# Allegro board 8880F5-0823_1_redwan.brd (continued)
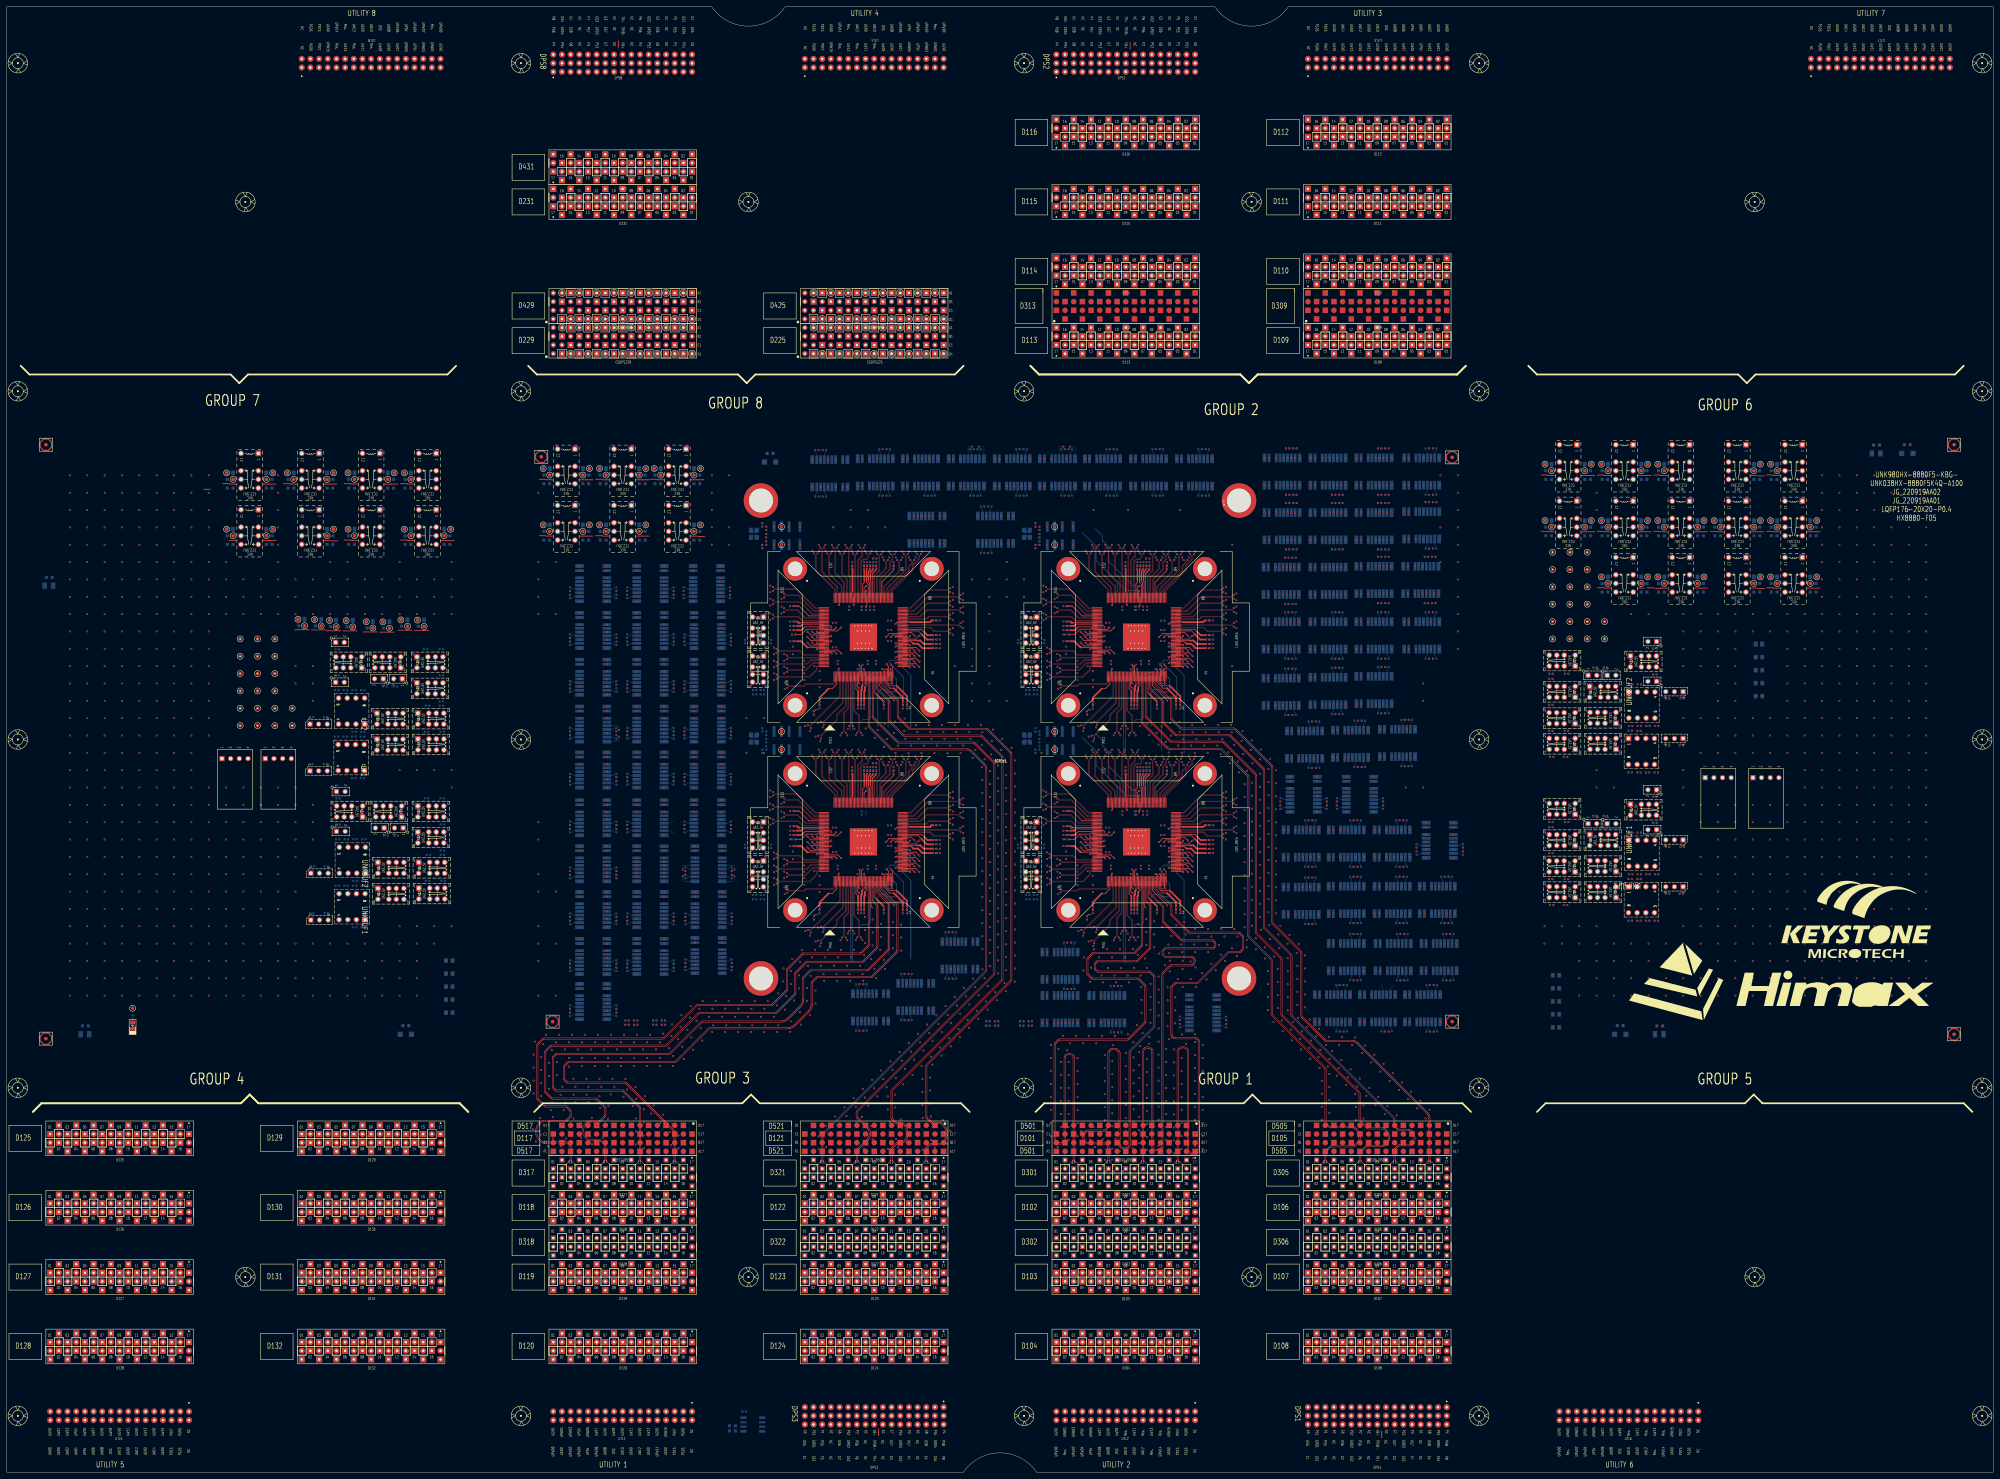
[diagram p0: board, top side]
## Routing (per net, layer and track width the routed paths; a pad name or vN(x,y) marks a point on that pad's centre or on a via; arc(x,y) is an arc through that point) (continued)
S4_AUX_100DCH002+:
  vias: v1(299.22,132.08)
S4_AUX_100DCH002-:
  vias: v1(296.68,132.08)
S4_AUXCH+: length 32.3
  TOP w0.203: SITE4.21 330.23,176.2 v2(330.6,176.57)
  BOTTOM w0.203: 327.57,149.14 327.57,171.79 330.3,174.52 330.3,176.28 v2(330.6,176.57)
S4_AUXCH-: length 32.1
  TOP w0.203: v2(329.46,176.57) 329.83,176.2 SITE4.20
  BOTTOM w0.203: 327.02,149.37 327.02,172.02 329.76,174.75 329.76,176.28 v2(329.46,176.57)
S4_AVDD11_RX: length 8.4
  TOP w0.231: 334.67,167.85 334.23,168.29 SITE4.31
  TOP w0.508: v1(336.77,165.75) 334.67,167.85
  vias: v1(336.77,163.71)
S4_AVDD11_XTAL: length 8.8
  TOP w0.231: 332.87,201.45 332.87,201.11 333.03,200.95 SITE4.105
  TOP w0.381: 332.87,201.45 332.87,203.59 333.72,204.45 v1(333.72,204.54)
  vias: v1(333.72,206.58)
S4_AVDD18_RX: length 7.7
  TOP w0.231: 331.28,170.01 331.83,170.56 SITE4.25
  TOP w0.508: 331.28,170.01 331.28,168.9 331.06,168.68 v1(331.06,165.75)
  vias: v1(331.06,163.71)
S4_DCH041: length 2.2
  TOP w0.231: v1(317.23,183.03) 317.43,182.83 SITE4.159
S4_DCH042: length 3.7
  TOP w0.231: SITE4.160 316.43,182.43 v1(315.83,183.03)
S4_DCH043: length 5.3
  TOP w0.231: v1(314.43,183.03) 315.44,182.03 SITE4.161
S4_DCH044: length 2.2
  TOP w0.231: SITE4.163 317.43,181.23 v1(317.23,181.03)
S4_DCH045: length 5.4
  TOP w0.231: v1(324.35,179.83) 323.35,180.83 SITE4.164
S4_DCH046: length 3.9
  TOP w0.231: SITE4.165 322.35,180.43 v1(322.95,179.83)
S4_DCH047: length 2.3
  TOP w0.231: SITE4.166 321.36,180.03 v1(321.56,179.83)
S4_DPS_F_001:
  vias: v1(297.68,130.81)
S4_DPS_F_002: length 10.1
  TOP w0.231: 320.65,169.55 321.72,169.55 323.03,170.86 SITE4.3
  TOP w0.508: v1(317.98,165.75) 317.98,166.88 320.65,169.55
  vias: v1(316.32,162.9) v1(317.98,163.71)
S4_DPS_F_003: length 63.1
  TOP w0.231: SITE4.71 346.94,186.43 347.84,185.53 ; SITE4.107 332.23,200.11 331.69,200.65 331.69,201.16 ; SITE4.37 336.63,171.59 338.57,169.66 339.73,169.66 ; 314.63,181.63 SITE4.162 ; SITE4.145 313.08,188.43 312.83,188.18 ; 345.2,182.93 344.9,183.23 SITE4.63 ; SITE4.17 328.63,169.5 329.28,168.85
  TOP w0.381: 331.69,201.16 331.69,204.28 v1(331.94,204.54)
  TOP w0.508: v1(311.44,183.41) 312.59,183.41 314.37,181.63 314.63,181.63 ; v1(351.22,183.91) 349.45,183.91 347.84,185.53 ; v1(342.36,165.75) 342.36,167.02 339.73,169.66 ; 345.2,182.93 345.45,182.68 346.8,182.68 348.11,181.37 v1(351.22,181.37) ; v1(311.44,187.93) 312.58,187.93 312.83,188.18 ; v1(329.28,165.75) 329.28,168.85
  vias: v1(309.4,187.93) v1(309.4,183.41) v1(329.28,163.71) v1(331.94,206.58) v1(342.36,163.71) v1(353.27,183.91) v1(353.27,181.37) v1(464.57,192.28)
S4_DPS_F_006: length 9.6
  TOP w0.231: SITE4.72 347.92,186.83 348.55,186.19
  TOP w0.508: v1(351.22,185.18) 349.56,185.18 348.55,186.19
  vias: v1(339,186.67) v1(353.27,185.18)
S4_DPS_F_007: length 19
  TOP w0.231: SITE4.97 336.23,200.71 339.65,204.13 v1(339.65,204.54) ; SITE4.78 344.15,189.23 344.37,189.01
  TOP w0.508: 344.37,189.01 350.31,189.01 350.8,189.5 v1(351.22,189.5)
  vias: v1(339.65,206.58) v1(353.27,189.5)
S4_DPS_F_009: length 8.8
  TOP w0.231: 332.26,201.12 332.26,200.9 332.63,200.53 SITE4.106
  TOP w0.381: v1(332.83,204.54) 332.83,204.39 332.26,203.82 332.26,201.12
  vias: v1(332.83,206.58) v1(333.61,207.66)
S4_DPS_F_010: length 8.6
  TOP w0.231: 331.05,201.13 331.05,200.57 330.63,200.15 SITE4.111
  TOP w0.381: 331.05,201.13 v1(331.05,204.54)
  vias: v1(330.63,193.59) v1(331.05,206.58)
S4_DPS_F_011: length 17.6
  TOP w0.231: v1(311.44,193.69) 312.01,193.69 314.87,190.83 SITE4.139 ; 327.64,198.01 327.43,197.79 SITE4.119
  TOP w0.508: 327.64,198.01 327.64,204.47 v1(327.57,204.54)
  vias: v1(309.4,193.69) v1(327.57,206.58)
S4_DPS_F_012: length 8
  TOP w0.231: 312.2,188.83 SITE4.144
  TOP w0.508: 312.2,188.83 311.81,188.83 v1(311.44,189.2)
  vias: v1(309.4,189.2)
S4_DPS_F_013:
  vias: v1(452.62,188.98) v1(452.62,181.36) v1(457.25,190.45) v1(474.87,173.79) v1(474.89,161.55) v1(474.99,175.15) v1(475.99,187.35) v1(478.43,173.74) v1(478.43,161.55) v1(478.53,187.35) v1(478.53,175.15) v1(480.97,161.55) v1(481.07,175.15) v1(482.1,197.87) v1(482.1,190.25) v1(483.51,161.55) v1(483.61,175.15) v1(489.86,169.47) v1(490.1,183.24)
S4_ISP00+: length 14.6
  TOP w0.086: v1(356.24,185.73) 355.81,186.16 351.56,186.16 350.41,187.31 344.06,187.31 343.98,187.23 SITE4.73
  vias: v1(307.81,131.64)
S4_ISP00-: length 14.6
  TOP w0.086: SITE4.74 343.98,187.63 344.06,187.55 350.51,187.55 351.66,186.4 355.77,186.4 v1(356.24,186.87)
  vias: v1(307.81,139.64)
S4_ISP14+: length 238.2
  TOP w0.086: v1(332.86,209.15) 332.42,208.71 332.42,207.92 331.76,207.26 330.73,207.26 330.15,206.68 330.15,197.86 330.23,197.78 SITE4.112
  L28_SIGNAL w0.071: v1(312.21,131.64) 312.21,135.08 311.85,135.43 290.94,135.43 284.88,141.49 284.88,157.49 270.17,172.2 270.17,188.95 265.58,193.54 265.58,206.11 269.22,209.76 269.22,210.77 268.58,211.42 264.85,211.42 261.24,215.03 261.24,227.6 265.03,231.4 273.46,231.4 276.69,228.17 276.69,227.25 282.37,221.56 298.29,221.56 306.57,213.29 310.71,213.29 316.37,207.62 332.34,207.62 333.79,209.07 333.79,210.13 333.48,210.44 332.81,210.44 332.39,210.02 332.39,209.62 v1(332.86,209.15)
S4_ISP14-: length 238.8
  TOP w0.086: v1(331.72,209.15) 332.18,208.69 332.18,208.02 331.66,207.5 330.63,207.5 329.91,206.78 329.91,197.86 329.83,197.78 SITE4.113
  L28_SIGNAL w0.071: v1(331.72,209.15) 332.19,209.62 332.19,210.1 332.73,210.64 333.56,210.64 333.98,210.22 333.98,208.99 332.42,207.42 316.29,207.42 310.63,213.09 306.49,213.09 298.21,221.37 282.29,221.37 276.49,227.17 276.49,228.08 273.37,231.2 265.11,231.2 261.43,227.52 261.43,215.11 264.93,211.62 268.66,211.62 269.42,210.85 269.42,209.68 265.77,206.03 265.77,193.62 270.37,189.03 270.37,172.28 285.08,157.57 285.08,141.57 291.02,135.63 311.87,135.63 312.21,135.97 v1(312.21,139.64)
S4_M_DPS_F_001: length 45.2
  TOP w0.231: SITE4.147 313.7,187.63 313.24,187.18 ; 346.49,183.63 SITE4.64 ; 340.57,170.37 338.54,170.37 337.43,171.49 SITE4.39 ; SITE4.104 333.43,203.21 ; 330.63,170.54 SITE4.22
  TOP w0.381: v1(334.61,204.54) 334.61,204.39 333.43,203.21
  TOP w0.508: v1(311.44,186.66) 312.72,186.66 313.24,187.18 ; v1(330.17,165.75) 330.17,168.96 330.38,169.17 330.38,170.28 330.63,170.54 ; v1(351.22,182.64) 348.48,182.64 347.49,183.63 346.49,183.63 ; 340.57,170.37 343.63,167.31 v1(343.63,165.75)
  vias: v1(309.4,186.66) v1(330.17,163.71) v1(334.61,206.58) v1(343.63,163.71) v1(353.27,182.64)
S4_PS9G_DCH001: length 3.7
  TOP w0.231: SITE4.18 329.03,170.23 v1(329.63,169.63)
S4_PS9G_DCH002: length 2.2
  TOP w0.231: v1(329.63,171.03) 329.43,171.23 SITE4.19
S4_PS9G_DCH003: length 2.2
  TOP w0.231: SITE4.24 331.43,171.23 v1(331.23,171.03)
S4_PS9G_DCH004: length 2.2
  TOP w0.231: v1(337.63,175.23) 337.83,175.03 SITE4.40
S4_PS9G_DCH005: length 2.2
  TOP w0.231: v1(344.43,175.83) 344.23,176.03 SITE4.45
S4_PS9G_DCH006: length 3.7
  TOP w0.231: SITE4.46 345.23,176.43 v1(345.83,175.83)
S4_PS9G_DCH007: length 5.3
  TOP w0.231: SITE4.47 346.22,176.83 v1(347.22,175.83)
S4_PS9G_DCH009: length 2.2
  TOP w0.231: SITE4.49 344.23,177.63 v1(344.43,177.43)
S4_PS9G_DCH010: length 3.7
  TOP w0.231: v1(345.83,177.43) 345.23,178.03 SITE4.50
S4_PS9G_DCH011: length 5.3
  TOP w0.231: v1(347.22,177.43) 346.22,178.43 SITE4.51
S4_PS9G_DCH014: length 3.7
  TOP w0.231: SITE4.54 345.23,179.63 v1(345.83,179.03)
S4_PS9G_DCH015: length 5.3
  TOP w0.231: v1(347.22,179.03) 346.22,180.03 SITE4.55
S4_PS9G_DCH022: length 5.3
  TOP w0.231: SITE4.65 346.05,184.03 347.05,185.03 v1(347.22,185.03)
S4_PS9G_DCH023: length 2.5
  TOP w0.231: v1(344.43,185.03) 344.43,184.83 344.03,184.43 SITE4.66
S4_PS9G_DCH027: length 3.9
  TOP w0.231: SITE4.70 344.83,186.03 v1(345.83,185.03)
S4_PS9G_DCH028: length 2.3
  TOP w0.231: v1(340.23,188.46) 340.6,188.83 SITE4.77
S4_PS9G_DCH029: length 2.2
  TOP w0.231: v1(328.03,194.03) 327.83,194.23 SITE4.118
S4_PS9G_DCH030: length 9.2
  TOP w0.231: SITE4.148 317.62,187.23 317.3,186.91 314.16,186.91 312.63,185.39 v1(310.91,185.39)
S4_PS9G_DCH035: length 5.3
  TOP w0.231: v1(314.43,186.23) 315.44,185.23 SITE4.153
S4_PS9G_DCH036: length 2.2
  TOP w0.231: v1(321.43,185.03) 321.23,184.83 SITE4.154
S4_PS9G_DCH037: length 2.2
  TOP w0.231: v1(317.23,184.63) 317.43,184.43 SITE4.155
S4_PS9G_DCH038: length 3.7
  TOP w0.231: SITE4.156 316.43,184.03 v1(315.83,184.63)
S4_PS9G_DCH039: length 5.3
  TOP w0.231: v1(314.43,184.63) 315.44,183.63 SITE4.157
S4_PS9G_DCH040: length 2.2
  TOP w0.231: v1(321.43,183.43) 321.23,183.23 SITE4.158
S4_RLY_001:
  vias: v1(402.14,146.88) v1(415.1,163.64)
S4_RLY_003:
  vias: v1(318.32,131.64) v1(403.41,209.61)
S4_RLY_005:
  vias: v1(388.43,146.88) v1(415.6,146.88)
S4_RLY_007:
  vias: v1(415.61,188.92)
S4_RLY_008:
  vias: v1(375.22,180.15) v1(397.57,131.89)
S4_RLY_016:
  vias: v1(388.43,163.64) v1(410.78,131.89)
S4_RLY_021:
  vias: v1(384.36,131.89) v1(401.89,163.64)
S4_RLY_022:
  vias: v1(346.27,138.37) v1(375.73,202.38)
S4_RLY_023:
  vias: v1(392.24,202.38)
S4_RLY_025:
  vias: v1(375.22,163.39) v1(388.43,180.15)
S4_RLY_026:
  vias: v1(401.89,180.15)
S4_RLY_030:
  vias: v1(304.61,144.34)
S4_RLY_043:
  vias: v1(304.61,131.64)
S4_SCAN_DCH008: length 2.2
  TOP w0.231: v1(340.23,177.03) 340.43,177.23 SITE4.48
S4_SCAN_DCH012: length 2.2
  TOP w0.231: v1(340.23,178.63) 340.43,178.83 SITE4.52
S4_SCAN_DCH013: length 2.2
  TOP w0.231: v1(344.43,179.03) 344.23,179.23 SITE4.53
S4_SCAN_DCH016: length 2.2
  TOP w0.231: v1(340.23,180.23) 340.43,180.43 SITE4.56
S4_SCAN_DCH017: length 2.2
  TOP w0.231: v1(344.43,180.63) 344.23,180.83 SITE4.57
S4_SCAN_DCH018: length 3.7
  TOP w0.231: v1(345.83,180.63) 345.23,181.23 SITE4.58
S4_SCAN_DCH019: length 5.3
  TOP w0.231: v1(347.22,180.63) 346.22,181.63 SITE4.59
S4_SCAN_DCH020: length 2.2
  TOP w0.231: v1(340.23,181.83) 340.43,182.03 SITE4.60
S4_SCAN_DCH021: length 2.2
  TOP w0.231: SITE4.61 344.23,182.43 v1(344.43,182.23)
S4_SCAN_DCH024: length 2.2
  TOP w0.231: v1(340.23,184.63) 340.43,184.83 SITE4.67
S4_SCAN_DCH025: length 3.7
  TOP w0.231: v1(338.83,184.63) 339.43,185.23 SITE4.68
S4_SCAN_DCH026: length 5.3
  TOP w0.231: v1(337.44,184.63) 338.44,185.63 SITE4.69
S4_SCAN_DCH031: length 3.7
  TOP w0.231: SITE4.149 322.23,186.83 v1(322.83,187.43)
S4_SCAN_DCH032: length 5.3
  TOP w0.231: v1(324.22,187.43) 323.22,186.43 SITE4.150
S4_SCAN_DCH033: length 2.2
  TOP w0.231: SITE4.151 317.43,186.03 v1(317.23,186.23)
S4_SCAN_DCH034: length 3.7
  TOP w0.231: v1(315.83,186.23) 316.43,185.63 SITE4.152
S4_SPI_1_CSN:
  vias: v1(474.99,187.35)
S4_SPI_1_SCK:
  vias: v1(480.07,175.15)
S4_SPI_1_SDI:
  vias: v1(456.19,173.74)
S4_SPI_1_SDO:
  vias: v1(455.94,166.12)
S4_SPI_2_CSN:
  vias: v1(475.87,173.79)
S4_SPI_2_SCK:
  vias: v1(479.97,161.55)
S4_SPI_2_SDI:
  vias: v1(451.62,173.74)
S4_SPI_2_SDO:
  vias: v1(451.87,166.12)
S4_SPI_11_SDI:
  vias: v1(457.19,173.74) v1(477.53,187.35)
S4_SPI_11_SDO:
  vias: v1(456.94,166.12) v1(482.61,175.15)
S4_SPI_22_SDI:
  vias: v1(452.62,173.74) v1(477.43,173.74)
S4_SPI_22_SDO:
  vias: v1(452.87,166.12) v1(482.51,161.55)
S4_SPI_CSN: length 25.9
  TOP w0.231: v1(339.23,171.03) 339.03,171.23 SITE4.43
  BOTTOM w0.231: v1(339.23,171.03) 338.4,171.03 335.17,174.25 333.57,174.25 332.91,173.59 332.91,161.11 332.25,160.44 330.61,160.44 330.11,159.95
S4_SPI_SCK: length 25.3
  TOP w0.231: v1(338.83,175.23) 338.63,175.03 SITE4.42
  BOTTOM w0.231: 335.03,158.48 335.03,168.39 335.92,169.27 337.17,169.27 337.9,168.54 339.96,168.54 340.53,169.11 340.53,172.28 338.83,173.98 v1(338.83,175.23)
S4_SPI_SDI: length 3.7
  TOP w0.231: v1(338.83,176.63) 339.43,176.03 SITE4.44
S4_SPI_SDO: length 37
  TOP w0.231: SITE4.41 338.23,176.03 v1(337.63,176.63)
  BOTTOM w0.231: v1(337.63,176.63) 338.83,177.83 341.5,177.83 342.29,177.04 342.29,175.83 344.72,173.4 344.72,150.32
S4_XTAL_IN: length 28.3
  TOP w0.231: v1(331.63,198.23) 331.43,198.03 SITE4.109
  BOTTOM w0.231: 314.98,215.24 318.94,211.27 318.94,207.1 327.82,198.23 v1(331.63,198.23)
S4_XTAL_OUT: length 26.8
  TOP w0.231: SITE4.110 331.03,199.03 v1(331.63,199.63)
  BOTTOM w0.231: v1(331.63,199.63) 329.83,199.63 322.59,206.87 322.59,211.15 320.8,212.93 320.8,214.36 318.8,216.35
UDBGND:
  vias: v1(117.69,130.81) v1(118.49,128.27) v1(128.57,149.86) v1(128.57,146.05) v1(128.57,138.43) v1(128.57,134.62) v1(130.51,142.24) v1(224.37,298.45) v1(225.17,295.91) v1(452.68,137.92) v1(452.68,134.11) v1(452.68,130.3) v1(454.61,145.54) v1(454.61,141.73) v1(473.29,130.81) v1(474.09,128.27) v1(484.87,130.71) v1(485.12,128.27) v1(512.11,238.76) v1(512.11,234.95) v1(512.11,231.14) v1(512.11,227.33) v1(548.37,300.89) v1(548.62,298.45) v1(557.36,300.99) v1(558.16,298.45)
UT1_UP5V:
  vias: v1(115.19,128.27) v1(115.99,130.81) v1(175.7,264.1) v1(175.7,250.38) v1(175.7,236.67) v1(175.7,222.95) v1(175.7,209.49) v1(175.7,195.52) v1(175.7,182.06) v1(175.7,168.6) v1(175.7,154.88) v1(175.7,141.67) v1(192.47,264.1) v1(192.47,250.38) v1(192.47,236.67) v1(192.47,222.95) v1(192.47,209.49) v1(192.47,195.52) v1(192.47,182.06) v1(192.47,168.6) v1(192.47,154.88) v1(208.98,264.1) v1(209.23,250.38) v1(209.23,236.67) v1(209.23,222.95) v1(209.23,209.49) v1(209.23,195.52) v1(209.49,182.06) v1(209.49,168.6) v1(209.49,155.13) v1(221.87,295.91) v1(222.67,298.45) v1(232.25,271.67) v1(244.8,288.61) v1(250.5,296.86) v1(256.73,132.14) v1(263.71,296.86) v1(269.94,135.19) v1(273.24,272.1) v1(277.17,296.86) v1(282.9,147.38) v1(290.64,296.86) v1(293.31,272.1) v1(303.84,296.86) v1(304.61,152.34) v1(304.61,139.64) v1(312.25,271.67) v1(317.05,296.86) v1(318.32,139.64) v1(330.51,296.86) v1(343.98,296.86) v1(354.27,138.37) v1(369.38,265.11) v1(369.38,249.11) v1(369.38,232.6) v1(369.63,297.12) v1(369.63,281.11) v1(375.22,188.15) v1(375.22,171.39) v1(376.23,217.11) v1(383.09,297.12) v1(383.09,281.11) v1(383.09,265.11) v1(383.09,249.11) v1(383.09,232.85) v1(383.73,202.38) v1(384.36,139.89) v1(388.43,188.15) v1(388.43,171.64) v1(388.43,154.88) v1(389.7,217.36) v1(396.55,297.12) v1(396.55,281.11) v1(396.55,265.37) v1(396.55,249.11) v1(396.55,233.11) v1(397.57,139.89) v1(400.24,202.38) v1(401.89,188.15) v1(401.89,171.64) v1(402.14,154.88) v1(403.41,217.61) v1(410.27,265.37) v1(410.52,297.12) v1(410.52,281.37) v1(410.52,249.11) v1(410.78,139.89) v1(415.1,171.64) v1(415.6,154.88) v1(423.61,188.92) v1(470.79,128.27) v1(471.59,130.81) v1(482.62,128.27) v1(483.17,130.71) v1(546.12,298.45) v1(546.67,300.89) v1(554.86,298.45) v1(555.66,300.99)
N26125600: length 3
  BOTTOM w0.119: K25.3 210.81,258.7 211.29,259.17 R55.2
N26125602: length 3
  BOTTOM w0.119: R56.1 211.29,256.03 210.81,256.5 K25.4
N26125604: length 3
  BOTTOM w0.119: R57.2 198.67,259.17 199.14,258.7 K25.6
N26125606: length 3
  BOTTOM w0.119: R58.1 198.67,256.03 199.14,256.5 K25.5
N26125622: length 3
  BOTTOM w0.119: R59.2 194.78,245.46 194.3,244.98 K26.3
N26125624: length 3
  BOTTOM w0.119: K26.4 194.3,242.78 194.78,242.31 R60.1
N26125626: length 3
  BOTTOM w0.119: K26.6 182.63,244.98 182.16,245.46 R61.2
N26125628: length 3
  BOTTOM w0.119: R62.1 182.16,242.31 182.63,242.78 K26.5
N26125644: length 3
  BOTTOM w0.119: R66.1 165.4,242.31 165.87,242.78 K27.5
N26125646: length 3
  BOTTOM w0.119: R65.2 165.4,245.46 165.87,244.98 K27.6
N26125685: length 3
  BOTTOM w0.119: K22.6 199.4,244.98 198.92,245.46 R45.2
N26125687: length 3
  BOTTOM w0.119: R46.1 198.92,242.31 199.4,242.78 K22.5
N26125689: length 3
  BOTTOM w0.119: R47.2 194.78,231.74 194.3,231.27 K23.3
N26125691: length 3
  BOTTOM w0.119: K23.4 194.3,229.07 194.78,228.6 R48.1
N26125693: length 3
  BOTTOM w0.119: K23.6 182.63,231.27 182.16,231.74 R49.2
N26125695: length 3
  BOTTOM w0.119: R50.1 182.16,228.6 182.63,229.07 K23.5
N26125711: length 3
  BOTTOM w0.119: K24.3 177.54,231.27 178.01,231.74 R51.2
N26125713: length 3
  BOTTOM w0.119: R52.1 178.01,228.6 177.54,229.07 K24.4
N26125715: length 3
  BOTTOM w0.119: R53.2 165.4,231.74 165.87,231.27 K24.6
N26125717: length 3
  BOTTOM w0.119: K24.5 165.87,229.07 165.4,228.6 R54.1
N26125746: length 3
  BOTTOM w0.119: K22.3 211.07,244.98 211.54,245.46 R102.2
N26125748: length 3
  BOTTOM w0.119: R103.1 211.54,242.31 211.07,242.78 K22.4
N26125750: length 3
  BOTTOM w0.119: K27.3 177.54,244.98 178.01,245.46 R104.2
N26125752: length 3
  BOTTOM w0.119: K27.4 177.54,242.78 178.01,242.31 R105.1
N26323523: length 3
  BOTTOM w0.119: K17.3 255.9,298.7 255.43,299.17 R71.2
N26323525: length 3
  BOTTOM w0.119: K17.4 258.1,298.7 258.58,299.17 R72.1
N26323527: length 3
  BOTTOM w0.119: K17.5 258.1,287.03 258.58,286.55 R74.1
N26323529: length 3
  BOTTOM w0.119: R73.2 255.43,286.55 255.9,287.03 K17.6
N26323531: length 3
  BOTTOM w0.119: K21.3 282.57,298.7 282.1,299.17 R75.2
N26323533: length 3
  BOTTOM w0.119: K21.4 284.77,298.7 285.25,299.17 R76.1
N26323535: length 3
  BOTTOM w0.119: K21.5 284.77,287.03 285.25,286.55 R78.1
N26323537: length 3
  BOTTOM w0.119: K21.6 282.57,287.03 282.1,286.55 R77.2
N26323539: length 3
  BOTTOM w0.119: K29.3 177.54,258.7 178.01,259.17 R79.2
N26323541: length 3
  BOTTOM w0.119: K29.4 177.54,256.5 178.01,256.03 R80.1
N26323543: length 3
  BOTTOM w0.119: K29.6 165.87,258.7 165.4,259.17 R43.2
N26323545: length 3
  BOTTOM w0.119: R44.1 165.4,256.03 165.87,256.5 K29.5
N26323547: length 3
  BOTTOM w0.119: R63.2 194.78,259.17 194.3,258.7 K30.3
N26323549: length 3
  BOTTOM w0.119: R64.1 194.78,256.03 194.3,256.5 K30.4
N26323551: length 3
  BOTTOM w0.119: K30.5 182.63,256.5 182.16,256.03 R101.1
N26323553: length 3
  BOTTOM w0.119: R100.2 182.16,259.17 182.63,258.7 K30.6
N26325241: length 3
  BOTTOM w0.119: R67.2 239.87,286.3 239.4,286.77 K16.3
N26325243: length 3
  BOTTOM w0.119: K16.4 237.2,286.77 236.72,286.3 R68.1
N26325245: length 3
  BOTTOM w0.119: R70.1 236.72,298.92 237.2,298.44 K16.5
N26325247: length 3
  BOTTOM w0.119: R69.2 239.87,298.92 239.4,298.44 K16.6
N26326910: length 3
  BOTTOM w0.119: K6.5 338.11,287.03 338.59,286.55 R30.1
N26326941: length 3
  BOTTOM w0.119: K6.3 335.91,298.7 335.44,299.17 R27.2
N26326943: length 3
  BOTTOM w0.119: R28.1 338.59,299.17 338.11,298.7 K6.4
N26326945: length 3
  BOTTOM w0.119: R29.2 335.44,286.55 335.91,287.03 K6.6
N26326947: length 3
  BOTTOM w0.119: K7.5 324.65,287.03 325.12,286.55 R34.1
N26326959: length 3
  BOTTOM w0.119: K7.3 322.45,298.7 321.98,299.17 R31.2
N26326961: length 3
  BOTTOM w0.119: K7.4 324.65,298.7 325.12,299.17 R32.1
N26326963: length 3
  BOTTOM w0.119: K7.6 322.45,287.03 321.98,286.55 R33.2
N26327095: length 3
  BOTTOM w0.119: R39.2 288.38,269.79 287.91,270.26 K11.3
N26327097: length 3
  BOTTOM w0.119: K11.4 285.71,270.26 285.24,269.79 R40.1
N26327099: length 3
  BOTTOM w0.119: K8.5 271.31,287.03 271.78,286.55 R38.1
N26327103: length 3
  BOTTOM w0.119: R37.2 268.64,286.55 269.11,287.03 K8.6
N26327105: length 3
  BOTTOM w0.119: R41.2 288.38,282.41 287.91,281.93 K11.6
N26327107: length 3
  BOTTOM w0.119: R42.1 285.24,282.41 285.71,281.93 K11.5
N26328546: length 3
  BOTTOM w0.119: K5.5 351.58,287.03 352.05,286.55 R26.1
N26328550: length 3
  BOTTOM w0.119: K5.3 349.38,298.7 348.9,299.17 R23.2
N26328552: length 3
  BOTTOM w0.119: R24.1 352.05,299.17 351.58,298.7 K5.4
N26328554: length 3
  BOTTOM w0.119: R25.2 348.9,286.55 349.38,287.03 K5.6
N26330264: length 3
  BOTTOM w0.119: K3.5 298.24,287.03 298.71,286.55 R18.1
N26330266: length 3
  BOTTOM w0.119: K3.6 296.04,287.03 295.56,286.55 R17.2
N26330268: length 3
  BOTTOM w0.119: R16.1 298.71,299.17 298.24,298.7 K3.4
N26330270: length 3
  BOTTOM w0.119: K3.3 296.04,298.7 295.56,299.17 R15.2
N26330276: length 3
  BOTTOM w0.119: K1.5 165.87,215.35 165.4,214.88 R10.1
N26330278: length 3
  BOTTOM w0.119: R9.2 165.4,218.02 165.87,217.55 K1.6
N26330280: length 3
  BOTTOM w0.119: K1.4 177.54,215.35 178.01,214.88 R8.1
N26330282: length 3
  BOTTOM w0.119: R7.2 178.01,218.02 177.54,217.55 K1.3
N26330286: length 3
  BOTTOM w0.119: R11.2 211.54,231.74 211.07,231.27 K2.3
N26330288: length 3
  BOTTOM w0.119: K2.4 211.07,229.07 211.54,228.6 R12.1
N26330290: length 3
  BOTTOM w0.119: K4.5 311.44,287.03 311.92,286.55 R22.1
N26330294: length 3
  BOTTOM w0.119: R19.2 308.77,299.17 309.24,298.7 K4.3
N26330296: length 3
  BOTTOM w0.119: R20.1 311.92,299.17 311.44,298.7 K4.4
N26330298: length 3
  BOTTOM w0.119: R21.2 308.77,286.55 309.24,287.03 K4.6
N26330300: length 3
  BOTTOM w0.119: K2.5 199.4,229.07 198.92,228.6 R14.1
N26330302: length 3
  BOTTOM w0.119: K2.6 199.4,231.27 198.92,231.74 R13.2
N26336828:
  vias: v1(222.38,273.82) v1(222.38,272.66) v1(224.65,271.67)
N26336832:
  vias: v1(222.38,275.98) v1(222.38,274.82) v1(224.65,276.97)
N26336834:
  vias: v1(221.21,276.98) v1(222.38,276.98)
N26336836: